# KiCad board hellen72_NB2.kicad_pcb (continued)
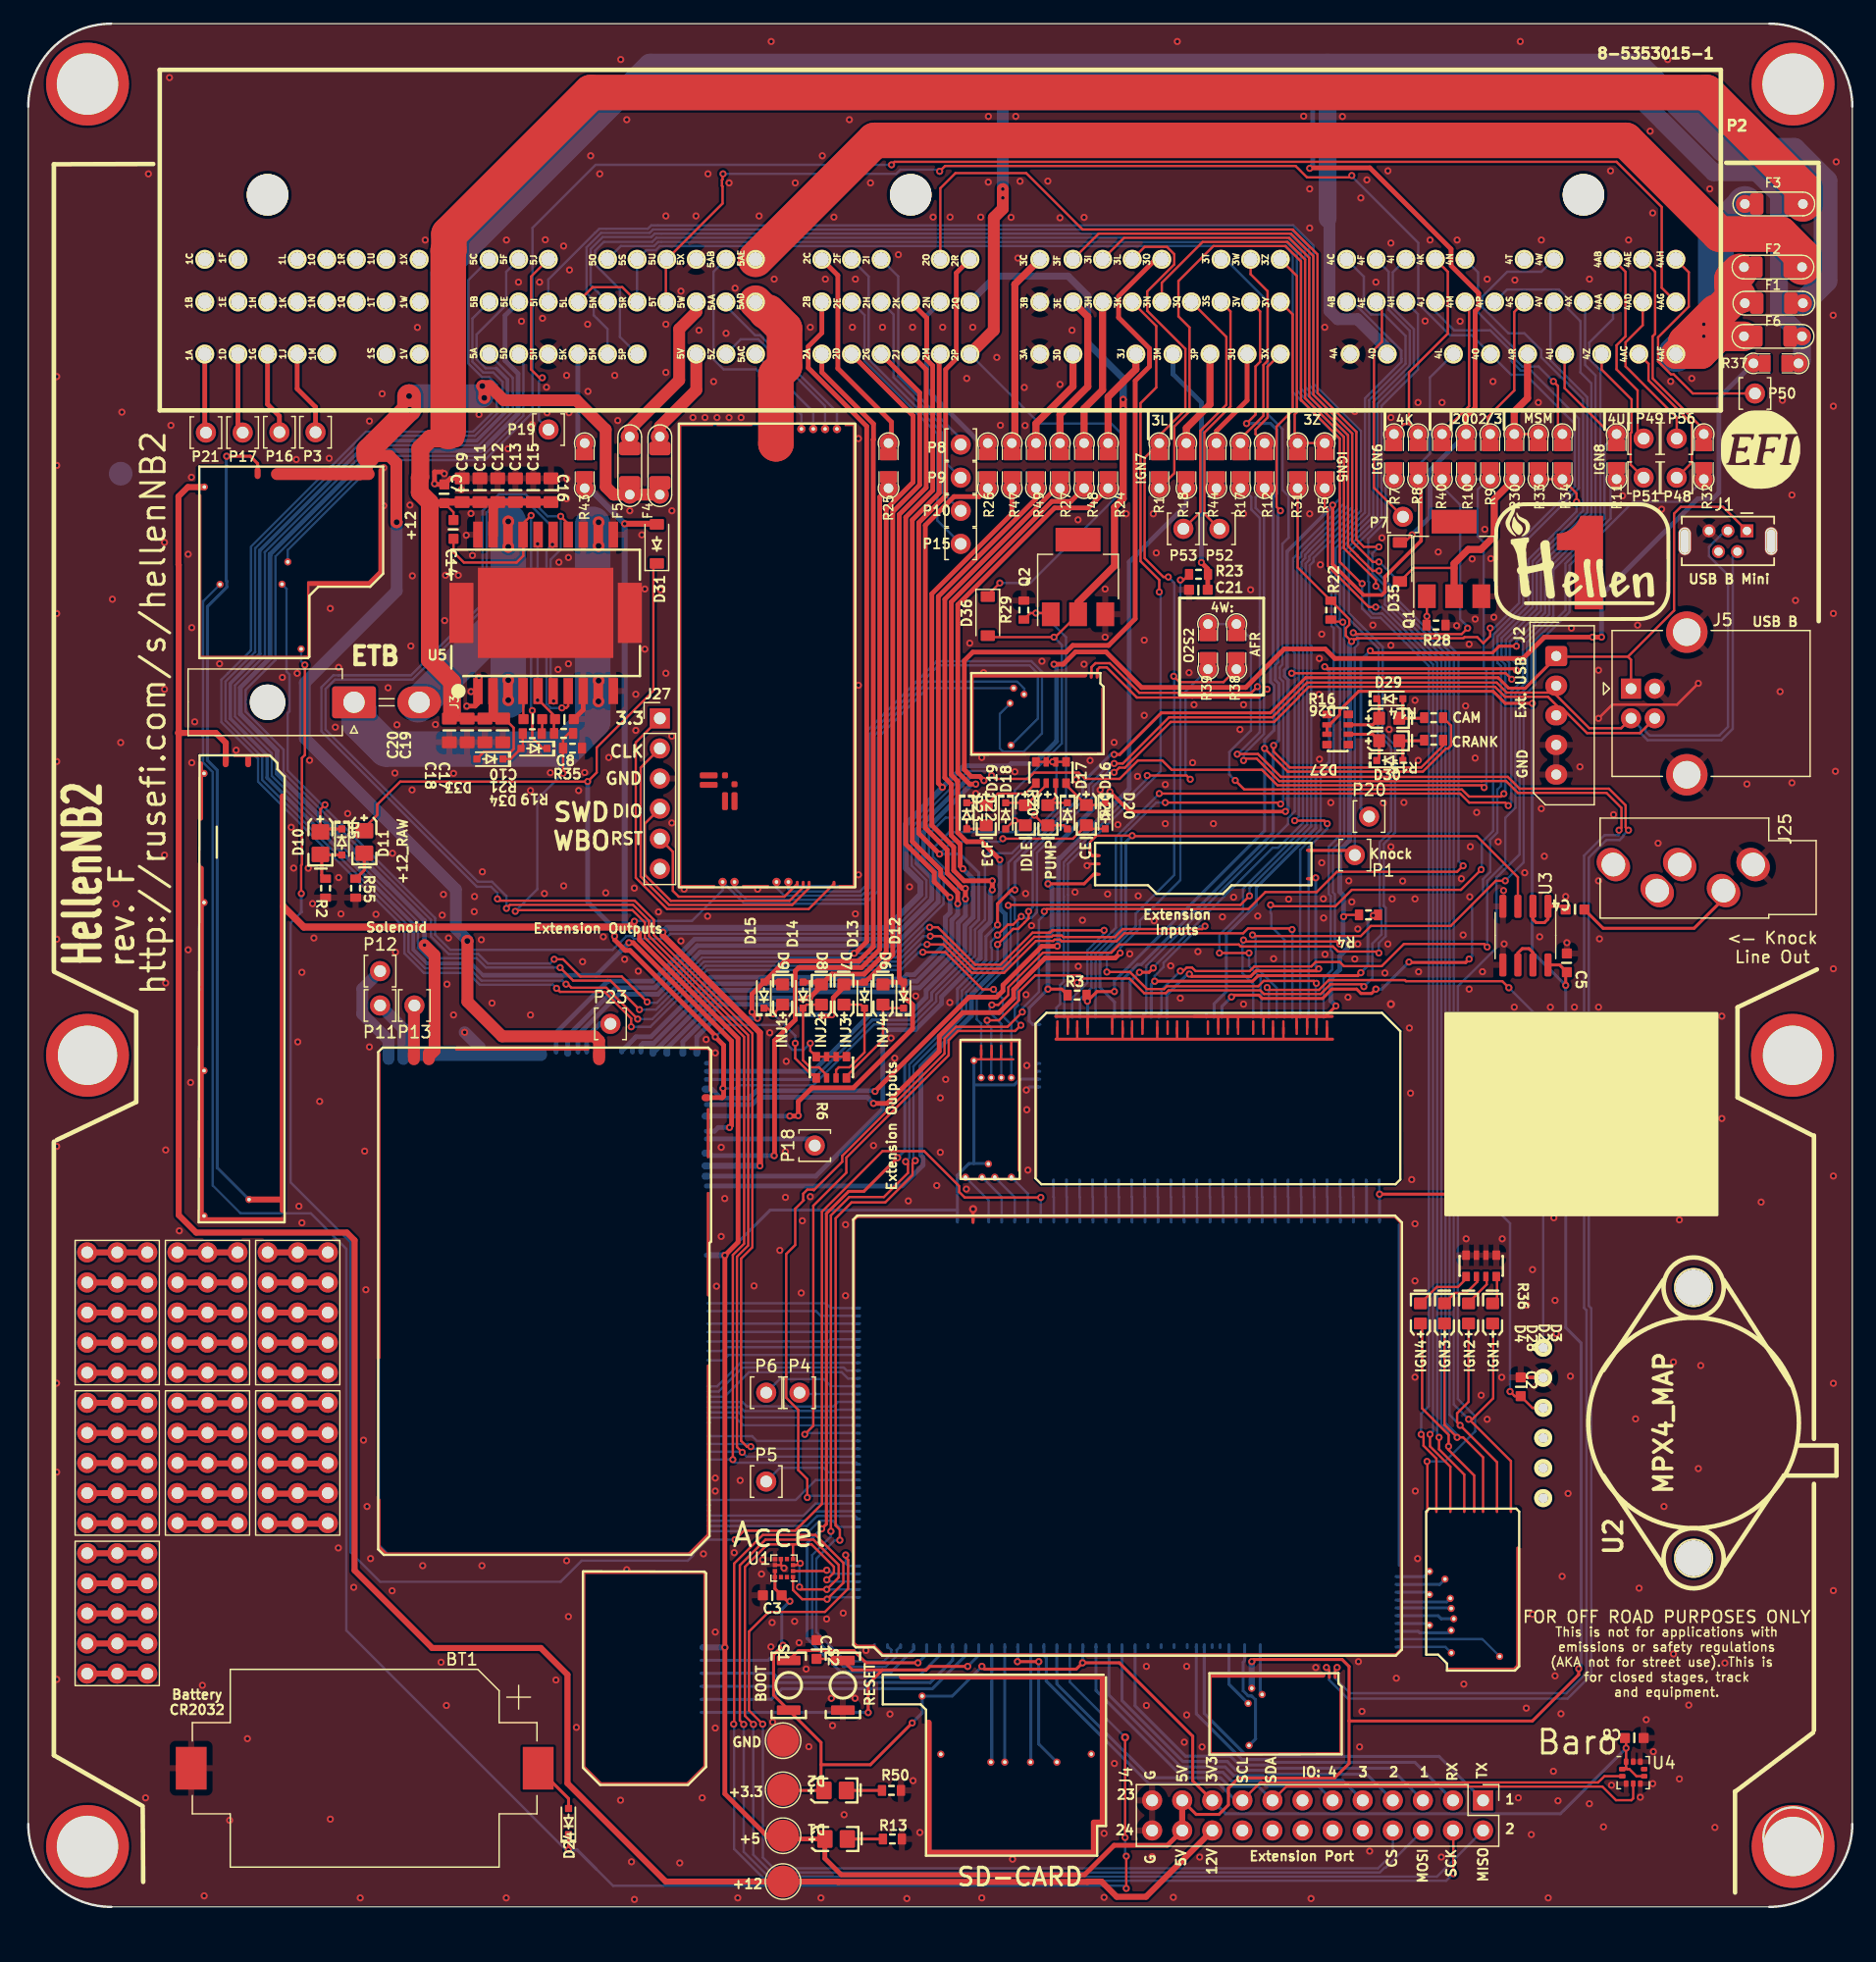
[diagram p0: board, top side]
## Routing (per net, layer and track width the routed paths; a pad name or vN(x,y) marks a point on that pad's centre or on a via; arc(x,y) is an arc through that point) (continued)
GNDA: length 205.4
  Top w0.2: 94.08,75.13 94.08,74.18 ; 58.62,146.32 58.62,145.86 58.57,145.81 58.57,145.31 58.62,145.26 58.62,143.82 53.83,139.04 53.83,135.58 P2.54 ; M1.J5 107.97,75.19 ; M1.J22 91.52,75.19 ; v1(123.43,107.97) 123.43,107.28 122.84,106.7 122.34,107.21 121.26,107.21 121.16,107.11 112.17,107.11 112.09,107.03 111.91,107.03 v1(111.72,106.84) 111.24,107.33 111.24,107.95 111.53,108.25 111.53,108.73 107.17,113.09 R31.1 ; v1(76.95,146.53) 77.4,146.99 107,146.99 107.96,146.03 111.59,146.03 v1(111.74,146.18) ; 100.47,74.2 100.47,75.16 ; M1.J12 101.27,75.19 ; 104.3,75.16 104.29,75.15 104.29,74.21 ; M1.J23 89.44,75.19 ; 108.78,74.2 108.78,75.16 ; M1.J11 102.14,75.19 ; 107.08,74.2 107.08,75.16 ; M1.J25 87.76,75.19 ; R4.2 111.2,83.76
  Top w0.254: v1(110.4,76.07) 109.52,75.18 M1.J2
  Bottom w0.2: v1(111.74,146.18) 111.74,146.11 117.35,140.5 117.35,135.38 120.03,132.7 121.86,132.7 P2.117 125.2,129.36 126.42,129.36 130.57,125.21 130.57,119.94 125.87,115.24 125.87,110.09 123.75,107.97 v1(123.43,107.97) ; v1(76.95,146.53) 76.8,146.67 73.62,146.67 73.27,146.32 v1(58.66,146.32)
  Bottom w0.254: M1.N2 112.98,61.23 M3.S32
  Bottom w0.4: v1(111.72,106.84) 111.55,106.67 111.55,90.05 110.73,89.23 110.73,85.71 111.04,85.39 111.04,83.61 v1(111.05,83.61) 111,83.56 111,81.94 111.39,81.55 111.39,80.95 110.73,80.28 110.73,79.14 109.97,78.38 109.97,76.5 v1(110.4,76.07)
/1A: length 6.7
  Top w0.4: P2.85 14.9,124.58 P21.1
/1D: length 6.8
  Top w0.4: P2.86 17.7,124.88 P17.1
/1G: length 7
  Top w0.4: P2.87 20.2,126.87 21.2,125.87 P16.1
/1J: length 7.2
  Top w0.4: P3.1 24.25,126.63 22.7,128.18 P2.88
/2C: length 18.1
  Top w0.4: P2.17 68.35,137.75 68.35,129.9 72.88,125.37 72.88,123.84 R25.2
/2E: length 24.2
  Bottom w0.2: P15.1 76.75,117.05 76.75,124.37 70.6,130.53 70.6,134.4 P2.59
/2F: length 25.1
  Bottom w0.2: P2.18 70.95,137.65 70.95,130.67 77.1,124.52 77.1,119.49 P10.1
/2H: length 17.6
  Bottom w0.2: P9.1 77.45,121.94 77.45,124.75 73.05,129.15 73.05,134.46 P2.60
/2I: length 18.4
  Bottom w0.2: P8.1 78.72,123.97 73.45,129.24 73.45,137.65 P2.19
/2N: length 14.9
  Bottom w0.4: P2.62 75.85,134.36 75.85,128.11 80.37,123.59 R26.2
/3C: length 16.5
  Top w0.6: R47.2 83.3,123.84 83.3,137 P2.22
/3D: length 8.8
  Top w0.6: R49.2 85.07,125.24 88.2,128.37 P2.108
/3H: length 12.6
  Top w0.6: P2.66 90.7,128.07 89.14,126.51 R48.2
/3J: length 8.5
  Top w0.6: R24.2 91.17,127.48 93.51,129.82 P2.109
/3Q: length 21.9
  Top w0.2: P53.1 98.95,117.78 98.95,124.63 101.15,126.83 101.15,132.55 P2.69
/3S: length 20.9
  Top w0.2: P2.70 101.5,134.71 101.5,126.68 99.3,124.48 99.3,117.61 P52.1
/3U: length 8.6
  Top w0.4: P2.112 102.9,127.19 100.31,124.6 R44.2
/3W: length 17.1
  Top w0.2: R17.1 102.35,123.95 104.28,125.89 104.28,130.18 104.63,130.53 104.63,136.42 103.2,137.85 P2.28
/3X: length 8.7
  Top w0.2: P2.113 104.63,130.04 104.63,125.75 103.62,124.73 103.62,124.35 R12.1
/3Z: length 18.7
  Top w0.2: 109.62,123.59 R31.2 106.92,123.84 106.92,126.02 107.1,126.2 107.1,137.71 P2.29
/4AB: length 16.8
  Top w0.2: P49.1 135.87,124.48 135.87,128.03 134.1,129.81 134.1,131.84 134.85,132.6 134.85,138.06 P2.37
/4AC: length 12.8
  Top w0.2: P2.121 136.79,130.28 136.79,128.89 140.45,125.24 140.45,121.94 P48.1
/4AD: length 13.9
  Top w0.2: P2.83 136.3,133.54 134.86,132.1 134.86,130.07 139.18,125.75 P56.1
/4AE: length 17.1
  Top w0.2: R32.2 141.46,124.73 137.14,129.05 137.14,132.61 137.35,132.81 137.35,138.06 P2.38
/4AF: length 32.2
  Top w0.2: 142.48,134.64 142.48,137.18
  Top w2.5: F6.2 142.76,132.61 141.26,131.11 P2.122 139.94,131.94
  Top w3: 142.99,134.89 144.07,135.98 144.37,135.98 ; 142.48,134.64 139.94,132.1 139.94,131.94 ; 143.83,136.92 143.83,137.43 144.49,138.08
  Bottom w3: F3.1 144.93,143.69 142.48,141.24 142.48,134.48 P2.122
  vias: v1(141.46,133.62) v1(141.46,132.61)
/4E: length 19.6
  Top w0.2: P2.74 114.28,135.02 114.28,132.14 113.62,131.48 113.62,119.81 P7.1
/4K: length 18.4
  Top w0.2: P2.33 119.85,138.06 119.85,132.84 116.57,129.56 116.57,125.28 ; R7.2 116.15,125.2 116.61,125.2 117.24,124.57 117.24,124.35
/4M: length 12.3
  Top w0.2: 119.27,124.33 121.65,126.71 121.65,135.16 P2.77
/4S: length 12.5
  Top w0.2: 123.22,124.32 123.22,125.79 125.46,128.03 125.46,134.66 P2.79
/4Z: length 12
  Top w0.2: P51.1 135.28,121.77 135.28,124.42 135.37,124.51 135.37,127.27 132.84,129.8 P2.120
/5AE: length 97.5
  Top w3: F2.1 149.75,139.4 147.92,141.23 142.8,141.23 134.88,149.15 71.45,149.15 P2.16
/5J: length 16
  Top w0.2: P2.10 42.45,137.65 42.45,129.81 43.15,129.11 v1(43.4,129.11)
  Bottom w0.2: P19.1 43.11,125.54 43.11,128.82 v1(43.4,129.11)
/5K: length 7.8
  Bottom w0.4: R43.2 46.4,124.16 P2.95
/+ETB: length 149.8
  Top w0.2: v1(45.05,101.23) 45.43,101.23 45.58,101.39 U5.7 ; v1(40.37,84.3) 40.67,84.61 51.06,84.61 52.4,83.26 52.4,81.98 60.79,73.6 60.79,55.85 59.83,54.9 59.83,38.82 v1(60.28,38.38)
  Bottom w0.2: v1(40.37,84.3) 40.37,85.34 39.15,86.56 37.95,86.56 25.1,99.41 25.1,102.83 25.9,103.63 32.45,103.63 38.7,109.88 38.7,117.73 39.9,118.93 41.81,118.93 44.25,116.49 v1(44.25,115.03) 43.75,114.53 43.75,101.58 44.1,101.23 v1(45.05,101.23) ; M5.W32 60.23,38.42 v1(60.28,38.38) 60.64,38.02 M3.E15
/-ETB: length 156.4
  Top w0.2: v1(44.95,117.41) 45.58,116.78 U5.14 ; v1(39.61,85.11) 39.76,84.96 51.2,84.96 52.82,83.34 52.82,82.06 61.13,73.74 61.13,55.69 60.18,54.74 60.18,39.35 60.68,38.86 v1(61,38.86)
  Bottom w0.2: M3.E16 61.18,38.68 v1(61,38.86) 60.77,39.08 M5.W31 ; 32.13,103.98 26.2,103.98 ; 26.2,103.98 32.31,103.98 38.35,110.03 38.35,117.88 39.76,119.28 41.98,119.28 43.85,117.41 v1(44.95,117.41) 44.95,114.61 44.1,113.75 44.1,102.06 v1(44.35,101.81) ; 26.2,103.98 25.76,103.98 24.75,102.97 24.75,99.26 25.15,98.86 25.15,98.85 37.88,86.13 39.08,86.13 39.61,85.6 v1(39.61,85.11)
/AC_RELAY: length 13
  Bottom w0.2: M3.E9 66.47,34.06 65.45,33.04 M5.W37
/AC_SW: length 3.3
  Bottom w0.2: M3.S26 106.38,59.92 106.36,59.95 M1.N8
/AFR: length 3.3
  Bottom w0.2: M1.N18 95.36,59.95 95.38,59.92 M3.S16
/ALTERN: length 12.9
  Bottom w0.2: M3.E19 60.36,40.66 59.71,41.31 M5.W28
/BOOT0: length 13.4
  Top w0.254: v2(75.11,20.61) 70.73,20.61 69.69,21.64 65.04,21.64 S1.1
  Bottom w0.254: M3.N28 75.84,21.34 v2(75.11,20.61)
/BRAKE: length 3.3
  Bottom w0.2: M3.S28 108.58,59.92 108.56,59.95 M1.N6
/CAM: length 3.3
  Bottom w0.2: M1.N19 94.26,59.95 94.28,59.92 M3.S15
/CAN+: length 176
  Top w0.2: v2(109.6,20.21) 109.84,19.97 M13.S2
  Top w0.203: v1(102.07,97.32) 102.09,97.34 103.82,97.34 105.75,95.41 124.91,95.41 125.91,94.41 133.46,94.41 134.86,93 134.86,91.14 v1(135.1,90.91) ; 89.77,103.95 89.77,104.67 90.1,105.01 91.3,105.01 93.8,102.51 103.26,102.51 v1(103.78,103.03)
  Bottom w0.203: v1(135.1,90.91) 135.08,90.91 134.66,90.48 134.66,90.37 134.37,90.08 133.25,90.08 131.76,88.59 131.76,50.74 131.96,50.54 131.96,19.58 129.96,17.58 111.41,17.58 109.82,19.17 109.82,19.99 v2(109.6,20.21) ; v1(102.07,97.32) 102.11,97.32 103.97,99.18 103.97,117.26 103.26,117.97 103.26,119.03 102.52,119.78 R17.2
/CAN-: length 178.7
  Top w0.2: v2(110.5,20.21) 110.34,20.05 M13.S1
  Top w0.203: v1(134.3,90.91) 134.51,91.11 134.51,92.79 133.24,94.06 125.77,94.06 124.77,95.06 122.69,95.06 122.68,95.05 105.61,95.05 103.71,96.95 102.75,96.95 v1(102.6,96.79) ; v1(104.6,102.81) 103.9,102.11 98.28,102.11 98.28,102.11 93.6,102.11 91.06,104.65 90.45,104.65 90.27,104.47 90.27,103.95
  Bottom w0.203: 104.33,107.76 104.33,103.08 v1(104.6,102.81) ; 104.33,107.76 104.33,99.03 102.62,97.32 102.62,96.81 v1(102.6,96.79) ; 104.33,107.76 104.33,117.41 103.62,118.12 103.62,119.02 R12.2 ; v2(110.5,20.21) 110.28,19.99 110.28,19.36 111.6,18.04 129.85,18.04 131.56,19.75 131.56,50.37 131.35,50.58 131.35,88.76 133.08,90.48 134.27,90.48 134.3,90.51 v1(134.3,90.91)
/CAN_RX: length 9.3
  Bottom w0.254: M13.V6 103.62,14.18 103.62,17.48 103.29,17.81 103.01,17.81 102.57,18.25 102.57,20.65 102.69,20.77 M3.N2
/CAN_TX: length 5.5
  Bottom w0.254: M13.V5 101.37,18.8 M3.N3
/CAN_VIO: length 4.1
  Bottom w0.254: M13.V2 104.01,18.08 M3.N1
/CANIST: length 12.8
  Bottom w0.2: M5.W26 60.13,42.19 60.46,41.86 68.15,41.86 68.27,41.98 M3.E21
/CE: length 12.9
  Bottom w0.2: M5.W25 60.29,42.63 60.66,42.26 67.98,42.26 68.36,42.64 M3.E22
/CLT: length 3.3
  Bottom w0.2: M3.S18 97.58,59.92 97.56,59.95 M1.N16
/CLUTCH: length 4.4
  Bottom w0.2: M3.S4 82.18,59.95 M6.W3
/CRANK: length 3.3
  Bottom w0.2: M3.S13 92.08,59.92 92.06,59.95 M1.N21
/D3: length 4.4
  Bottom w0.2: M3.S5 83.28,59.92 M6.W2
/D4: length 4.2
  Bottom w0.2: M3.S6 84.38,60.22 M6.W1
/DIGITAL: length 4.5
  Bottom w0.2: M6.W4 81.08,59.65 M3.S3
/ECF_RELAY: length 12.8
  Bottom w0.2: M3.E28 59.11,46.6 58.65,46.14 M5.W21
/EGR_BOOST: length 3.3
  Bottom w0.2: M1.N7 107.46,59.95 107.48,59.92 M3.S27
/ETB_EN: length 90.7
  Top w0.2: v1(59.48,37.76) 59.48,55.04 60.44,55.99 60.44,73.45 52.05,81.83 52.05,83.11 51.01,84.15 41.21,84.15 v1(41.12,84.06) ; v1(45.15,95.71) R19.2 45.15,98.61 45.63,99.08 45.98,99.08
  Bottom w0.2: v1(41.12,84.06) 42.98,85.92 42.98,93.53 v1(45.15,95.71) ; M3.E14 69.92,37.51 59.65,37.51 59.48,37.67 v1(59.48,37.76) M5.W33
/EXT_I2C_SCL: length 56.7
  Top w0.2: 134.58,11.03 133.07,11.03 132.54,10.51 104.02,10.51 J4.17
  Bottom w0.254: J4.17 101.93,8.99 100.51,10.41 94.61,10.41 85.94,19.07 85.94,21.01 85.74,21.21 M3.N19
/EXT_I2C_SDA: length 58.2
  Top w0.2: U4.4 135.5,9.16 135.35,9.01 134.05,9.01 132.9,10.16 106.21,10.16 J4.15
  Bottom w0.254: M3.N18 86.84,18.81 94.75,10.91 100.61,10.91 100.66,10.86 100.7,10.86 101.39,10.17 103.87,10.17 J4.15
/EXT_IO1: length 32.6
  Bottom w0.254: J4.5 115.03,11.71 104.9,11.71 104.62,11.98 102.24,11.98 101.5,12.72 97.7,12.72 93.44,16.97 M3.N12
/EXT_IO2: length 30.9
  Bottom w0.254: M3.N13 92.34,17.42 97.49,12.27 101.23,12.27 101.97,11.53 104.43,11.53 104.75,11.21 112.99,11.21 J4.7
/EXT_IO3: length 29.2
  Bottom w0.254: M3.N14 91.24,17.87 97.3,11.81 101.05,11.81 101.79,11.07 104.24,11.07 104.61,10.71 110.95,10.71 J4.9
/EXT_IO4: length 27.6
  Bottom w0.254: M3.N15 90.14,18.27 97.06,11.36 100.86,11.36 101.6,10.62 104.06,10.62 104.47,10.21 108.91,10.21 J4.11
/EXT_SPI_CS: length 5.7
  Top w0.2: v2(67.41,28.42) 67.34,28.36 U1.2
  Bottom w0.2: v2(67.41,28.42) 67.59,28.42 67.9,28.12 M3.E4
/EXT_SPI_CS2: length 89.8
  Top w0.2: 69.01,29.51 69.22,29.3 69.22,26.86 67.26,24.91 62.51,24.91 60.85,23.24 60.85,16.58 v2(62,15.43)
  Bottom w0.2: 69.01,29.51 69.01,29.01 69.24,28.78 M3.E5 ; v2(62,15.43) 62.02,15.41 62.02,4.16 62.93,3.26 113.96,3.26 115.2,4.5 J4.8
  vias: v2(69.01,29.71)
/EXT_SPI_MISO: length 109.6
  Top w0.2: v1(65.18,29.01) 65,29.01 64.85,28.86 U1.3 ; v2(60.4,15.41) 60.08,15.73 60.08,28.84 62.24,31.01 66.29,31.01 68.42,28.88 68.42,27.81 v2(67.41,26.81) 65.2,26.81 65.11,26.89 v1(65.11,27.01)
  Bottom w0.2: v1(65.18,29.01) 65.11,28.94 v1(65.11,27.01) ; M3.E2 67.42,26.8 v2(67.41,26.81) ; v2(60.4,15.41) 60.4,15.4 60.4,4.65 62.5,2.56 118.93,2.56 J4.2
/EXT_SPI_MOSI: length 97.6
  Top w0.2: U1.4 64.56,30.57 64.6,30.61 ; 64.6,30.61 66.13,30.61 68.02,28.71 68.02,28.22 v2(67.41,27.61) ; 64.6,30.61 62.41,30.61 60.5,28.7 60.5,16.13 v2(61.23,15.41)
  Bottom w0.2: M3.E3 67.57,27.46 v2(67.41,27.61) ; v2(61.23,15.41) 61.21,15.39 61.21,4.41 62.71,2.91 114.11,2.91 114.51,3.31 114.6,3.31 J4.6
/EXT_SPI_SCK: length 111.7
  Top w0.2: v2(59.55,15.43) 59.59,15.47 59.59,28.99 62.01,31.41 66.46,31.41 68.82,29.05 68.82,27.35 v2(67.44,25.98) 65.34,25.98 64.56,26.76 U1.1 ; v2(120.31,2.81) 120.31,6.42 J4.4
  Bottom w0.2: v2(59.55,15.43) 59.59,15.39 59.59,4.89 62.28,2.21 119.71,2.21 v2(120.31,2.81) ; M3.E1 67.6,26.14 v2(67.44,25.98)
/IAT: length 3.3
  Bottom w0.2: M1.N15 98.66,59.95 98.68,59.92 M3.S19
/IDLE: length 90.8
  Top w0.2: v1(65.56,39.9) 66.28,40.62 66.28,59.2 69.07,61.99 69.07,63.26 77.71,71.9 77.71,73.17 78.49,73.96 83.32,73.96 v1(83.8,74.44) ; Q2.1 86.23,109.24 84.6,109.24 R29.1
  Bottom w0.2: v1(85.07,109.24) 85.58,109.24 87.61,107.21 87.61,93.03 82.74,88.16 82.74,85.64 83.29,85.1 83.29,83.4 83.55,83.13 83.55,76.12 83.3,75.87 83.3,74.95 v1(83.8,74.44) ; v1(65.56,39.9) 65.66,40 M3.E18
/IGN1: length 2.9
  Bottom w0.254: M3.W1 117.86,27.88 M2.V8
/IGN2: length 4.2
  Bottom w0.254: M2.V7 119.16,27.22 M3.W2
/IGN3: length 2.8
  Bottom w0.254: M2.V6 118.11,26.56 M3.W3
/IGN4: length 4.7
  Bottom w0.254: M2.V5 119.76,25.75 116,25.75 115.84,25.9 M3.W4
/IGN5: length 4.6
  Bottom w0.254: M2.V4 120.09,25.24 M3.W5
/IGN6: length 4.9
  Bottom w0.254: M2.V3 119.3,24.32 119.03,24.58 M3.W6
/IGN7: length 2.8
  Bottom w0.254: M3.W7 118.15,23.92 M2.V2
/IGN8: length 4.7
  Bottom w0.254: M3.W8 117.35,23.26 117.47,23.15 119.93,23.15 M2.V1
/IN_AC_PRESSURE: length 77.8
  Top w0.2: v1(110.98,108.48) 110.94,108.51 110.47,108.51 ; v1(102.6,81.63) 102.72,81.51 110.52,81.51 v1(110.73,81.3)
  Bottom w0.2: M1.S17 103.42,77.92 102.52,78.82 102.52,81.55 v1(102.6,81.63) ; P2.31 114.85,138.06 114.85,134.85 116.63,133.06 116.63,130.14 113.55,127.06 113.55,117.4 110.73,114.57 110.73,108.73 111.1,108.36 111.1,90.24 110.15,89.29 110.15,85.65 110.31,85.49 110.31,81.71 v1(110.73,81.3)
/IN_AFR: length 99.6
  Top w0.2: v1(108.75,77.98) 108.55,78.18 104.3,78.18 103.85,77.73 96.13,77.73 95.89,77.49 94.45,77.49 93.01,78.93 v1(91.06,78.93) ; P2.25 94.25,140.15 96.14,140.15 96.75,139.54 96.75,138.67 94.47,136.39 94.47,134.76 97.69,131.54 97.69,126.43 95.49,124.22 R1.2 94.25,122.36 94.25,113.87 95.84,112.29 v1(96.25,112.29) ; v1(96.7,103.91) 97.2,103.41 100.91,103.41 R38.2
  Bottom w0.2: v1(96.25,112.29) 96.76,111.78 96.76,87.14 93.5,83.88 93.5,82.79 91.06,80.35 v1(91.06,78.93) ; M1.S25 108.7,77.93 v1(108.75,77.98)
/IN_BRAKE: length 66.3
  Bottom w0.2: 115.93,130.7 115.93,130.57 ; 115.93,130.7 115.93,131.39 111.82,135.51 P2.73 ; 115.93,130.7 115.93,130.45 112.86,127.37 112.86,117.73 110.03,114.9 110.03,108.16 110.22,107.97 110.22,96.52 109.12,95.42 109.12,90.97 107.38,89.23 M1.S23
/IN_CAM: length 91.7
  Top w0.2: v1(102.85,125.24) 103.62,126 103.62,130.07 104,130.45 104,134.71 P2.71 ; R14.1 120.13,99.73 120.13,98.06 119.86,97.8 119.69,97.8 117.74,95.85 106.34,95.85 v1(104.38,97.81)
  Top w0.254: v1(91.7,77.28) 90.23,77.28 v2(89.42,76.47) 89.35,76.54 R3.2
  Bottom w0.254: v1(91.7,77.28) 91.7,78.18 104.38,90.86 104.38,98.54 105.18,99.34 105.18,103.13 104.88,103.42 104.88,105.06 105.1,105.28 105.1,119.03 105.42,119.35 105.42,124.71 104.89,125.24 v1(102.85,125.24) ; v2(89.42,76.47) 89.45,76.44 M1.S5
/IN_CLT: length 92.2
  Top w0.254: v1(125.64,104.41) 125.52,104.53 109.63,104.53 v1(109.46,104.71)
  Bottom w0.2: v1(125.64,104.41) 125.64,104.93 125.09,105.48 125.09,106.84 127.71,109.46 127.71,113.33 128.33,113.94 131.97,117.58 131.97,128.64 131.05,129.56 131.05,133.88 129.99,134.94 129.99,135.81 129.24,136.55 124.85,136.55 P2.78
  Bottom w0.254: M1.S15 100.12,76.24 101.14,77.27 101.14,82.1 103.68,84.64 103.68,86.07 108.7,91.08 108.7,95.53 109.84,96.68 109.84,104.32 v1(109.46,104.71)
/IN_CLUTCH: length 107.9
  Top w0.2: v1(80.95,74.85) 81.95,74.85 83.64,76.54 83.64,77.27 85.02,78.64 88.8,78.64 89.06,78.38 92.97,78.38 94.21,77.14 96.03,77.14 96.27,77.38 104.02,77.38 104.33,77.07 109.12,77.07 109.94,77.9 112.56,77.9 v1(112.76,77.7)
  Bottom w0.2: v1(112.76,77.7) 113.48,78.42 113.48,81.33 114.25,82.1 114.25,84.21 114.1,84.37 114.1,89.9 115.05,90.85 115.05,97.91 113.95,99.02 113.95,99.8 114,99.85 114,106.23 111.08,109.16 111.08,114.43 113.9,117.26 113.9,126.92 116.98,130 116.98,133.21 115.2,134.99 115.2,138 P2.32 ; v1(80.95,74.85) 80.95,74.56 81.3,74.21 M6.V3
/IN_CRANK: length 84
  Top w0.2: v1(105.72,117.87) 105.39,118.2 105.39,124.99 106.75,126.34 106.75,134.46 P2.72 ; R15.1 119.45,98.05 117.6,96.2 106.49,96.2 105.14,97.55 v1(105.14,98.06)
  Bottom w0.254: M1.S8 92.37,78.28 93.66,79.57 93.97,79.57 105.11,90.7 105.11,98.03 105.58,98.5 105.58,103.3 105.29,103.59 105.29,104.89 105.51,105.11 105.51,117.66 v1(105.72,117.87)
/IN_D4: length 147
  Top w0.2: v1(81.49,77.46) 80.56,77.46 77.42,80.6 v1(75.52,80.6) ; v1(50.9,74.31) 50.9,75.01 48.66,77.26 44.9,77.26 v1(44.6,77.56)
  Bottom w0.2: v1(81.49,77.46) 82.28,76.68 82.28,75.2 83,74.48 M6.V5 ; v1(44.6,77.56) 44.3,77.86 38.12,77.86 37.12,78.86 33.4,78.86 31.75,80.5 31.75,82.66 19.4,95.01 19.4,96.93 16.3,100.03 16.3,103.6 18.8,106.1 18.8,114.85 28.51,124.55 37.56,124.55 39.55,126.54 39.55,128.51 38.9,129.16 38.31,129.16 37.15,130.31 37.15,137.36 P2.8 ; v1(50.9,74.31) 52.52,74.31 57.33,79.11 68.87,79.11 69.17,78.8 70.4,78.8 70.7,79.11 73.69,79.11 75.18,80.6 v1(75.52,80.6)
/IN_DIGITAL: length 166.3
  Top w0.2: v1(82.74,84.56) 82.78,84.6 102.35,84.6 v1(103.11,85.36)
  Bottom w0.2: M6.V2 80.45,74.56 80.08,74.93 80.08,76.83 82.94,79.69 82.94,84.36 v1(82.74,84.56) ; v1(103.11,85.36) 103.11,86.02 108.32,91.24 108.32,105.88 108.32,106.46 108.19,106.58 108.19,113.27 108.51,113.59 108.51,113.88 112.51,117.87 112.51,124.61 108.5,128.61 108.5,140.26 106.79,141.97 53.18,141.97 52.6,141.97 52.31,141.69 48.21,141.69 47.86,141.34 47.84,141.34 43.9,137.39 P2.50
/IN_EGR_BOOST: length 74.2
  Top w0.2: v1(103.36,82.06) 103.45,81.97 112.5,81.97 113.35,82.82 120.09,82.82 123.9,86.63 v1(124.7,86.63)
  Bottom w0.2: R32.1 139.56,118.64 135.49,118.64 130.13,113.27 130.13,109.33 127.24,106.44 127.24,103.18 126.25,102.2 126.25,88.19 v1(124.7,86.63) ; v1(103.36,82.06) 103.62,81.81 103.62,79.38 105.4,77.59 M1.S20
/IN_IAT: length 71
  Top w0.2: R33.1 R34.1 130.72,119.34 v1(130.72,118.64)
  Top w0.254: v1(121.65,80.03) 121.36,79.73 116.61,79.73 v1(116.57,79.77) ; v2(101.58,76.83) 101.74,76.98 103.89,76.98 104.18,76.7 109.27,76.7 110.06,77.49 112.15,77.49 112.52,77.12 113.41,77.12 v2(113.78,77.49)
  Bottom w0.2: v1(130.72,118.64) 130.72,117.82 126.66,113.76 126.66,109.89 124.04,107.27 124.04,105.04 124.35,104.73 124.35,94.65 124.03,94.33 124.03,90.71 123.43,90.1 123.43,87.38 122.82,86.78 122.82,85.55 121.9,84.63 121.9,80.28 v1(121.65,80.03)
  Bottom w0.254: v2(101.58,76.83) 100.78,76.02 M1.S16 ; v2(113.78,77.49) 114.28,77.49 v1(116.57,79.77)
/IN_KNOCK: length 58.8
  Top w0.2: 125.77,84.48 125.77,86.94 122.3,90.41 93.24,90.41 v1(93.2,90.44) 90.18,90.44 89.65,89.91 89.65,89.63
  Top w0.254: 89.65,89.63 89.65,88.92 89.8,88.76 M9.E3
  Bottom w0.254: M1.S7 91.71,76.4 90.49,77.62 90.49,80.31 92.65,82.47 92.65,89.89 v1(93.2,90.44)
/IN_KNOCK_RAW: length 46.5
  Top w0.2: v1(121.52,107.97) 121.02,107.46 111.98,107.46 v1(111.86,107.58)
  Top w0.254: P1.1 111.61,89.19 108.13,89.19 M9.W1
  Bottom w0.2: v1(111.86,107.58) 112.27,107.17 112.27,106.61 112,106.34 P1.1 ; 119.27,120.52 119.27,120 120.89,118.38 120.89,108.73 121.52,108.09 v1(121.52,107.97)
/IN_MAP1: length 179.1
  Top w0.2: v1(76.16,81.96) 77.05,81.96 79.81,79.2 82.24,79.2 84.93,81.9 86.4,81.9 86.51,82.01 87.25,82.01 87.38,81.88 91.73,81.88 92.41,82.55 99.1,82.55 v1(99.35,82.81) ; v1(44.9,79.31) 46,78.21 49.15,78.21 v1(51.6,75.76)
  Top w0.254: v2(95.1,78.16) 103.37,78.16 103.84,78.62 112.26,78.62 v2(112.51,78.87)
  Bottom w0.2: v1(99.35,82.81) 98.95,82.81 95.85,79.71 95.85,79.36 95.1,78.61 v2(95.1,78.16) ; v1(76.16,81.96) 75.55,81.96 73.4,79.81 70.31,79.81 70.11,79.61 69.36,79.61 69.16,79.81 57.04,79.81 52.99,75.76 v1(51.6,75.76) ; v1(44.9,79.31) 38.65,79.31 37.85,80.1 33.78,80.1 32.9,80.98 32.9,83.16 20.56,95.5 20.56,97.4 17.45,100.5 17.45,103.13 19.97,105.65 19.97,114.39 28.98,123.4 38.03,123.4 40.9,126.27 40.9,129.1 P2.92
  Bottom w0.254: v2(95.1,78.16) 94.81,77.86 M1.S11 ; v1(113.55,83.71) 113.1,83.26 113.1,79.47 v2(112.51,78.87)
/IN_MAP2: length 88.7
  Top w0.2: P2.119 129.71,128.23 133.59,124.35 R11.2 ; v1(123.17,81.04) 122.92,81.3 116.14,81.3 114.27,79.43 111.07,79.43 110.73,79.77 108.7,79.77 108.33,79.4 103.51,79.4 103.12,79.01 98.55,79.01 98.26,79.31 97.8,79.31 97.5,79.01 v1(97.27,79.01)
  Bottom w0.2: R11.2 133.08,123.33 133.08,117.21 128.76,112.89 128.76,108.98 126.54,106.76 126.54,103.47 125.56,102.49 125.56,92.81 124.7,91.95 124.7,88.16 123.17,86.63 v1(123.17,81.04) ; M1.S12 95.67,75.42 95.67,77.41 v1(97.27,79.01)
/IN_MAP3: length 55.2
  Top w0.2: v1(104.59,77.62) 104.79,77.42 108.97,77.42 109.8,78.25 116.23,78.25 116.32,78.16 124.45,78.16 v2(125,77.61)
  Bottom w0.2: v1(104.59,77.62) 104.74,77.47 M1.S19 ; v2(125,77.61) 127.9,74.71 U2.1
/IN_NEUTRAL: length 102.3
  Top w0.2: v1(81.35,76.15) 81.9,76.15 82.74,76.99 82.74,77.64 85.66,80.56 91.43,80.56 92.13,81.25 102.2,81.25 102.37,81.08 110.16,81.08 110.59,80.66 113.91,80.66 v1(114.03,80.54)
  Bottom w0.2: v1(81.35,76.15) 81.18,75.98 81.18,75.53 82.15,74.56 M6.V4 ; P2.75 117.33,134.48 117.33,129.81 114.25,126.73 114.25,117.11 111.49,114.35 111.49,109.24 114.35,106.38 114.35,99.71 114.3,99.66 114.3,99.16 115.4,98.06 115.4,90.71 114.45,89.75 114.45,84.51 114.6,84.36 114.6,81.96 114.03,81.38 v1(114.03,80.54)
/IN_O2S2: length 37.5
  Top w0.2: v1(94.47,95.52) 97.79,95.52 v1(98.1,95.21)
  Bottom w0.2: M1.S1 86.81,75.92 87.12,76.23 87.12,77.82 87.43,78.13 87.43,85.29 87.43,85.29 87.43,88.19 87.61,88.38 87.61,88.41 94.47,95.27 v1(94.47,95.52) ; R39.2 97.7,102.6 97.7,95.61 v1(98.1,95.21)
/IN_O2S3: length 98.4
  Top w0.2: v1(124.95,92.98) 124.7,93.24 121.65,93.24 120.89,94 v1(95.49,94)
  Bottom w0.2: v1(124.95,92.98) 125.21,93.24 125.21,102.63 126.19,103.62 126.19,106.91 128.41,109.13 128.41,113.04 132.73,117.36 132.73,129.73 131.79,130.67 131.79,132.08 133.8,134.09 P2.82 ; v1(95.49,94) 92.83,91.34 92.83,91.34 91.83,90.34 91.83,82.67 89.76,80.61 89.76,77.6 88.79,76.63 M1.S4
/IN_PPS: length 142.2
  Top w0.2: v1(106.92,91.71) 109.42,91.71 v1(109.67,91.46)
  Bottom w0.2: M1.S24 108.1,75.28 108.1,89.46 109.67,91.03 v1(109.67,91.46) ; v1(106.92,91.71) 107.27,92.06 107.27,106.02 107.14,106.15 107.14,113.71 107.47,114.03 107.47,114.32 107.74,114.59 107.74,114.61 107.84,114.7 107.84,114.72 107.93,114.81 107.93,114.83 111.43,118.32 111.43,124.2 107.45,128.18 107.45,139.83 106.36,140.92 53.03,140.92 52.68,140.57 48.59,140.57 47.85,139.83 47.85,138.67 49.95,136.57 49.95,132.56 P2.97